# Altium PCB Booster_Main_Board.PcbDoc (part 6 of 11)
Units mil, origin at the board's own origin, x right, y up, seen from the top; angles counter-clockwise.
Board outline 15748.38 x 4626.33 mil, 4 copper layers (Component Side, Signal Layer 1, Power Plane, Solder Side), stack 63.149 mil thick; 999 components, 572 nets, 2902 pads, 1949 vias.
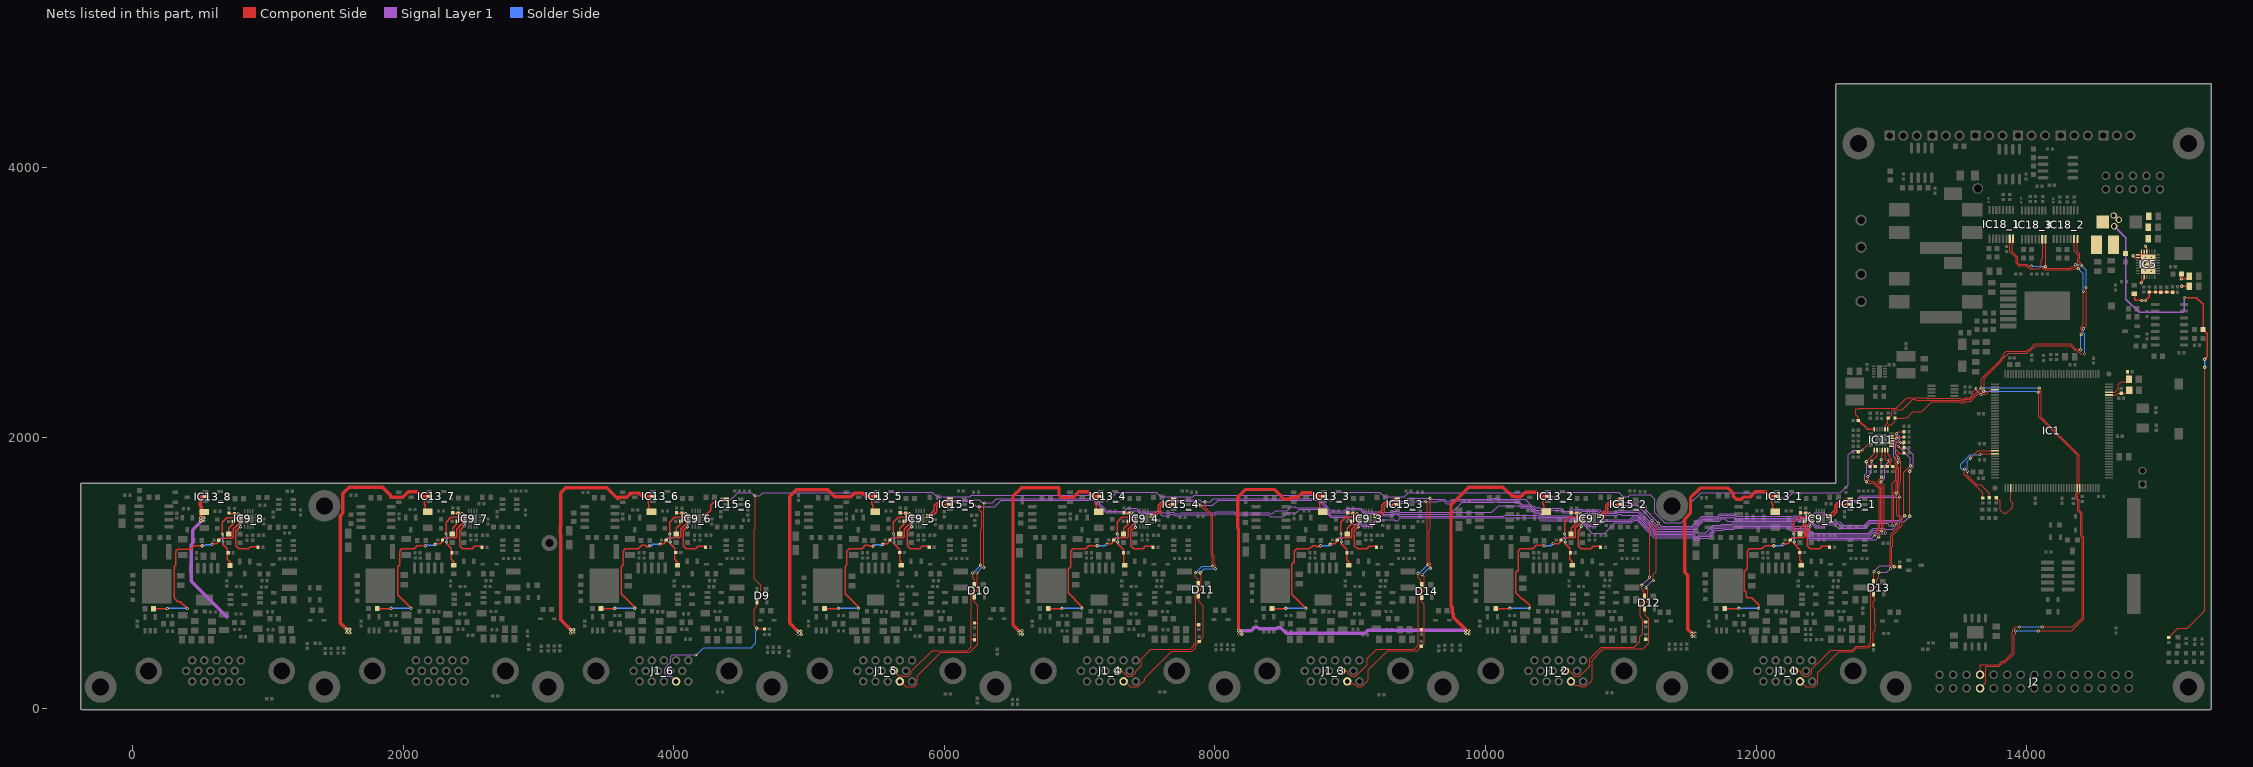
[diagram p8: the nets of this part, all layers, seen from the top]

## Via types
v1: diameter 23.62, hole 11.81, Component Side to Solder Side, tented both sides, 1910 vias
v2: diameter 50, hole 28, Component Side to Solder Side, tented both sides, 24 vias
v3: diameter 23.62, hole 11.81, Component Side to Solder Side, 10 vias
v4: diameter 47.24, hole 31.5, Component Side to Solder Side, 5 vias

## Nets (pads, with @x,y where several pads share a name; then routed paths per layer and width w, separated by ;. In a path a pad name is that pad's centre, name@x,y a point inside that pad or via, vN(x,y) a via of type N, cw(c..) or ccw(c..) an arc to the next point about the centre after c; other vN are vias at no path point) (continued)
I2C2_SDA: C80_6.1 D9.3 IC9_6.4 IC11.5 IC15_6.4 J1_6.4 R68.1 | length 11776.4
  Component Side w6: v1(4601,1573) 4601,1323.34 4595.33,1317.68 4595.33,956.67 4642,910 4642,841 4614.6,813.6 D9.3@4614.6,785.72 4614.6,752.27 4595.33,733 4595.33,608.67 v1(4613,591) 4618,586 C80_6.1@4670.28,586 ; R68.1@12754.37,1895.77 12774.77,1895.77 v1(12787,1908) 12787,1908.93 12832.9,1954.83 IC11.5@12846.1,1954.83
  Component Side w10: IC9_6.4@4225.16,1429.53 4237.73,1429.53 4272.9,1464.69 4272.9,1500.84 4296.01,1523.95 4332.16,1523.95 4351.87,1543.66 v1(4352.66,1543.66) IC15_6.4@4387.72,1543.66
  Signal Layer 1 w6: J1_6.4@4017.17,197.64 3979.71,235.09 3955.47,235.09 3931.75,258.82 3931.75,292.36 3955.47,316.09 3955.47,319.98 3976.67,341.18 3976.67,380.7 3990.01,394.04 4163.05,394.04 v1(4163.39,393.7) ; v1(4352.66,1543.66) 4424.03,1543.66 4473.37,1593 4572,1593 v1@4593,1572 ; v1@4601,1572 4636,1572 4657,1593 5481.34,1593 5541.01,1533.33 5558.25,1533.33 5570.44,1545.52 5570.44,1568.07 5596.95,1594.57 5911.85,1594.57 5945.1,1561.33 6092.19,1561.33 6095.05,1564.19 6191.59,1564.19 6200.21,1572.81 7155.07,1572.81 7194.55,1533.33 7211.79,1533.33 7273.04,1594.57 7565.4,1594.57 7598.64,1561.33 7745.73,1561.33 7748.59,1564.19 7838.59,1564.19 7848.21,1573.81 8807.62,1573.81 8848.1,1533.33 8865.34,1533.33 8877.53,1545.52 8877.53,1568.16 8903.95,1594.57 9218.94,1594.57 9252.18,1561.33 9399.28,1561.33 9428.76,1590.81 10461.82,1590.81 10489.44,1563.19 10526.56,1563.19 10557.95,1594.57 10984.45,1594.57 11016.7,1562.33 11053.82,1562.33 11068.3,1576.81 11216.59,1576.81 11250.84,1542.56 11250.84,1443.41 11325.3,1368.95 11445.03,1368.95 11518,1441.92 11518,1517.97 11593.84,1593.81 12134.07,1593.81 12173.88,1554 12232.46,1554 12272.27,1593.81 12622.09,1593.81 12680,1651.72 12680,1872 12716,1908 v1(12787,1908)
  Solder Side w6: v1@4165.04,392.04 4221,448 4571,448 4605.19,482.19 4605.19,567.62 4613,575.43 v1(4613,591)
I2C3_SCL: C81_5.1 D10.2 IC9_5.3 IC11.8 IC15_5.5 J1_5.9 R72.1 | length 10187.7
  Component Side w6: J1_5.9@5625.79,275.59 5663.24,238.13 5687.48,238.13 5690.52,235.09 5732.56,235.09 5756.28,258.82 5756.28,271.83 5909.45,425 6170,425 6199.79,454.79 6199.79,509 ; v1(6210,999) 6210,965 6220.6,954.4 D10.2@6220.6,914.28 6220.6,883.6 6199.79,862.79 6199.79,509 ; C81_5.1@6223,508.28 6200.5,508.28 6199.79,509 ; v1(6257.5,1491.5) 6257.5,1467.62 6275.39,1449.73 6275.39,1324.49 6268,1317.1 v1(6268,1057) ; v1(12824.78,1712.6) 12824.78,1692.84 12841.2,1676.42 12870.35,1676.42 12921,1625.77 12921,1369.37 12915.19,1363.56 12915.19,1325.62 12908.19,1318.62 12908.19,1268.19 v1(12906,1266) ; R72.1@12881.19,1786.01 12852,1815.2 v1(12852,1826) 12893.35,1867.35 IC11.8@12893.35,1907.58
  Component Side w10: IC9_5.3@5878.7,1409.84 5899.33,1409.84 5942.44,1452.95 5942.44,1494.21 5956.18,1507.95 5981.79,1507.95 5984.55,1505.19 v1@5997,1505.19 ; 6006.21,1507.95 6039.57,1507.95 IC15_5.5@6041.26,1506.26
  Signal Layer 1 w6: v1@5997,1505.19 6005.19,1505.19 6025.33,1525.33 6107.1,1525.33 6109.96,1528.19 6198.81,1528.19 6238,1489 6373,1489 6420.81,1536.81 7104.92,1536.81 7197.73,1444 7372.6,1444 7386.55,1457.95 7422.08,1457.95 7438.7,1441.33 7570.76,1441.33 7571.43,1442 7593.29,1442 7611.4,1423.88 7663.48,1423.88 7674.55,1434.95 7691.79,1434.95 7702.86,1423.88 7749.81,1423.88 7756.62,1430.69 8005.59,1430.69 8013.03,1438.13 8138.54,1438.13 8145.98,1430.69 8394.95,1430.69 8409.45,1416.19 8502.81,1416.19 8532.94,1446.33 8602.47,1446.33 8625.65,1469.5 8794.64,1469.5 8854.33,1409.81 8972.56,1409.81 9021.56,1360.81 9068.62,1360.81 9086.43,1343 9122.6,1343 9124.41,1344.81 9151.59,1344.81 9151.72,1344.69 9161.66,1344.69 9210.3,1393.33 9325.27,1393.33 9331.93,1386.67 9349.17,1386.67 9368.31,1405.81 10388.28,1405.81 10407.28,1386.81 10616.62,1386.81 10623.1,1380.33 10700.1,1380.33 10772.19,1308.24 10772.19,1306.38 10784.38,1294.19 10880.19,1294.19 10955.33,1369.33 11076.9,1369.33 11097.58,1390.01 11115.7,1390.01 11149.48,1356.23 11149.48,1354.32 11196.82,1306.98 11200.03,1306.98 11213.89,1293.12 11213.89,1290.94 11244.83,1260 11529.88,1260 11547.48,1242.4 11575.44,1242.4 11590.64,1257.6 11652.88,1257.6 11690.67,1295.39 11690.67,1309.57 11697.3,1316.2 11752.8,1316.2 11759.4,1322.8 11834.56,1322.8 11844.71,1332.95 12242.48,1332.95 12267.67,1307.76 12335.92,1307.76 12398.88,1244.81 12884.81,1244.81 v1(12906,1266) ; v1(12824.78,1712.6) 12852,1739.82 v1(12852,1826)
  Solder Side w6: v1(6210,999) v1(6268,1057)
  other v1: 5997,1498
I2C3_SDA: C80_5.1 D10.3 IC9_5.4 IC11.7 IC15_5.4 J1_5.4 R71.1 | length 10244.7
  Component Side w6: J1_5.4@5651.34,197.64 J1_5.4@5670.71,197.64 5674.41,197.64 5714.9,157.14 5777.48,157.14 5801.2,180.86 5801.2,241.2 5973,413 6189,413 6248,472 6248,626 ; C80_5.1@6223,627.72 6246.28,627.72 6248,626 ; v1(6240,999) 6241.41,997.59 6241.41,872.41 6220.6,851.6 D10.3@6220.6,823.72 6221,823.32 6221,785.41 6248,758.41 6248,626 ; v1(6292,1039) 6292,1512 v1(6297,1517) ; v1(12814.96,1673.23) 12823.77,1664.42 12865.38,1664.42 12909,1620.8 12909,1374.34 12903.19,1368.53 12903.19,1330.59 12896.19,1323.59 12896.19,1298.19 v1(12879,1281) ; R71.1@12841.82,1786.01 12814,1813.83 v1(12814,1822) 12873.66,1881.66 IC11.7@12873.66,1907.58
  Component Side w10: IC9_5.4@5878.7,1429.53 5891.28,1429.53 5926.44,1464.69 5926.44,1500.84 5949.55,1523.95 v1@5985.7,1523.95 ; v1(5994,1528) 5994,1532 5993.87,1532.13 6005.41,1543.66 IC15_5.4@6041.26,1543.66
  Signal Layer 1 w6: v1(5994,1528) 6003.33,1537.33 6102.13,1537.33 6104.99,1540.19 6258.81,1540.19 6281,1518 6352,1518 6382.81,1548.81 7111.19,1548.81 7204,1456 7333,1456 7353,1476 7421,1476 7443.67,1453.33 7565.79,1453.33 7566.46,1454 7598.26,1454 7609.56,1442.69 7637.8,1442.69 7644.61,1435.88 7658.51,1435.88 7669.58,1446.95 7696.76,1446.95 7707.83,1435.88 7744.84,1435.88 7751.65,1442.69 8000.62,1442.69 8008.06,1450.13 8143.51,1450.13 8150.95,1442.69 8399.92,1442.69 8406.73,1435.88 8425.06,1435.88 8448.62,1459.43 8534.47,1459.43 8562.99,1487.95 8592.34,1487.95 8598.79,1481.5 8802.98,1481.5 8803.61,1480.87 8803.61,1477.5 8859.31,1421.81 8977.53,1421.81 8983.01,1416.33 9030.07,1416.33 9091.4,1355 9117.63,1355 9119.44,1356.81 9156.56,1356.81 9156.69,1356.69 9192.73,1392.73 9192.73,1399 9216.58,1422.85 9315.99,1422.85 9325.84,1432.69 9347.6,1432.69 9362.48,1417.81 10129.81,1417.81 10137,1425 10386.06,1425 10412.25,1398.81 10621.59,1398.81 10628.07,1392.33 10705.07,1392.33 10723.72,1373.69 10753.4,1344 10816.57,1344 10829.38,1356.81 10839.78,1356.81 10864.3,1381.33 11071.93,1381.33 11092.61,1402.01 11120.68,1402.01 11161.48,1361.21 11161.48,1359.29 11201.79,1318.98 11205,1318.98 11225.89,1298.09 11225.89,1296.8 11249.73,1272.95 11533.89,1272.95 11552.45,1254.4 11570.47,1254.4 11585.67,1269.6 11647.91,1269.6 11678.67,1300.36 11678.67,1314.54 11692.33,1328.2 11747.83,1328.2 11754.43,1334.8 11829.58,1334.8 11839.74,1344.95 12247.45,1344.95 12272.64,1319.76 12340.89,1319.76 12403.85,1256.81 12854.81,1256.81 v1(12879,1281) ; v1(12814,1822) 12816.81,1819.19 12816.81,1737.38 12803.97,1724.54 12803.97,1684.22 v1(12814.96,1673.23)
  Solder Side w6: v1(6240,999) 6281,1040 6282,1039 v1(6292,1039)
I2C4_SCL: C81_4.1 D11.2 IC9_4.3 IC11.11 IC15_4.5 J1_4.9 R74.1 | length 8596.9
  Component Side w6: J1_4.9@7279.33,275.59 7281.93,273 7314.66,273 7352.56,235.09 7386.1,235.09 7414.7,263.69 7414.7,273 7454.75,313.05 7454.75,362.75 7527,435 7817,435 7844.5,462.5 7844.5,470.75 7858,484.25 7858,619 ; v1(7858,1002) 7855.79,999.79 7855.79,973.21 7876.6,952.4 D11.2@7876.6,919.28 7876.6,877.81 7855.79,857 7855.79,805.31 7858,803.1 7858,619 ; C81_4.1@7880,617.72 7859.28,617.72 7858,619 ; v1(7890,1500) 7972.84,1417.16 7972.84,1130.39 7981,1122.23 v1(7981,1050) ; v1@12921.01,1682.04 12919.58,1682.04 12914.42,1676.88 12945,1646.3 12945,1359.43 12939.19,1353.62 12939.19,1330.81 12956,1314 v1(12956,1295) ; IC11.11@12952.4,1907.58 12952.4,1844.6 12969.77,1827.23 12973.25,1830.71 v1(12982.28,1830.71) 12982.28,1798.52 R74.1@12969.77,1786.01
  Component Side w10: IC9_4.3@7532.24,1409.84 7552.87,1409.84 7555.91,1412.88 7555.91,1416.93 7579.12,1440.13 7583.17,1440.13 7595.98,1452.95 7595.98,1494.21 7609.72,1507.95 7634.79,1507.95 7644.74,1498 v1(7656,1498) 7665.95,1507.95 7693.11,1507.95 IC15_4.5@7694.8,1506.26
  Signal Layer 1 w6: v1@7656.45,1505.19 7665.19,1505.19 7685.33,1525.33 7760.65,1525.33 7763.5,1528.19 7861.81,1528.19 v1(7890,1500) ; v1@7890,1499 7985,1499 8023.81,1537.81 8763.65,1537.81 8815.61,1485.84 8815.61,1482.47 8851.76,1446.33 8960.31,1446.33 8980.98,1467 9072.03,1467 9097.7,1441.33 9214.37,1441.33 9220.85,1434.85 9311.02,1434.85 9320.87,1444.69 9352.57,1444.69 9362.41,1434.85 9758.01,1434.85 9770.11,1446.95 10045.52,1446.95 10096.38,1497.81 10243.82,1497.81 10261.44,1480.19 10309.45,1480.19 10331.94,1457.69 10346.36,1457.69 10363.68,1440.38 10387.65,1440.38 10417.22,1410.81 10626.56,1410.81 10633.04,1404.33 10710.04,1404.33 10758.37,1356 10811.6,1356 10824.41,1368.81 10834.81,1368.81 10859.33,1393.33 11066.96,1393.33 11087.64,1414.01 11125.65,1414.01 11173.48,1366.18 11173.48,1364.26 11206.76,1330.98 11209.97,1330.98 11237.89,1303.06 11237.89,1301.77 11254.7,1284.95 11538.86,1284.95 11557.42,1266.4 11565.5,1266.4 11580.7,1281.6 11642.94,1281.6 11666.67,1305.33 11666.67,1319.51 11687.36,1340.2 11742.86,1340.2 11749.45,1346.8 11824.61,1346.8 11834.77,1356.95 12252.42,1356.95 12277.61,1331.76 12347.86,1331.76 12354.19,1325.44 12354.19,1323.44 12408.82,1268.81 12837.38,1268.81 12870.38,1301.81 12887.62,1301.81 12900.24,1289.19 12950.19,1289.19 v1(12956,1295) ; v1(12923.23,1673.23) 12924.66,1673.23 12949.81,1698.38 12949.81,1792.04 12982.28,1824.51 v1(12982.28,1830.71)
  Solder Side w6: v1(7858,1002) 7906,1050 v1(7981,1050)
I2C4_SDA: C80_4.1 D11.3 IC9_4.4 IC11.10 IC15_4.4 J1_4.4 R73.1 | length 8474.9
  Component Side w6: J1_4.4@7304.88,197.64 J1_4.4@7324.25,197.64 7332.87,197.64 7373.37,157.14 7431.03,157.14 7480.46,206.57 7480.46,221.46 7680,421 7829,421 7856.5,448.5 7856.5,465.78 C80_4.1@7883,492.28 7884.7,492.28 7915,522.58 7915,755 7881,789 7881,824.32 D11.3@7876.6,828.72 7876.6,856.28 7894.31,874 7894.31,886.91 7897.41,890 7897.41,978.73 7893,983.14 7893,999 v1(7891,1001) ; v1(7927,1526) 7927,1482.55 7984.84,1424.7 7984.84,1135.36 7994.19,1126.01 7994.19,1066.24 8001.81,1058.62 8001.81,1041.38 8000.84,1040.41 8000.84,1033.16 v1(8004,1030) ; v1(12929,1310) 12927.19,1311.81 12927.19,1358.59 12933,1364.4 12933,1634.03 12902.42,1664.61 12902.42,1681.85 12914.61,1694.04 12916.04,1694.04 v1(12929,1707) ; R73.1@12930.4,1786.01 12932.72,1788.32 12922,1799.04 12924,1801.04 v1(12924,1839) 12927.94,1842.94 12927.94,1868 12932.72,1872.78 IC11.10@12932.72,1907.58
  Component Side w10: IC9_4.4@7532.24,1429.53 7544.82,1429.53 7579.98,1464.69 7579.98,1500.84 7603.1,1523.95 v1@7639.24,1523.95 ; v1(7647,1528) 7647,1531.71 7658.95,1543.66 IC15_4.4@7694.8,1543.66
  Signal Layer 1 w6: v1(7647,1528) 7656.33,1537.33 7755.68,1537.33 7758.53,1540.19 7885.81,1540.19 7899,1527 v1@7917,1527 ; v1@7927,1527 7965.19,1527 7988,1549.81 8768.62,1549.81 8827.61,1490.81 8827.61,1487.44 8856.73,1458.33 8955.34,1458.33 8976.01,1479 9077,1479 9102.67,1453.33 9219.34,1453.33 9225.82,1446.85 9306.05,1446.85 9315.9,1456.69 9357.54,1456.69 9367.38,1446.85 9753.04,1446.85 9827.46,1521.28 10059.84,1521.28 10065.38,1526.81 10082.62,1526.81 10088.16,1521.28 10237.32,1521.28 10266.41,1492.19 10314.42,1492.19 10336.92,1469.69 10351.33,1469.69 10368.65,1452.38 10392.62,1452.38 10422.19,1422.81 10631.53,1422.81 10638.01,1416.33 10710.88,1416.33 10723.07,1428.52 10723.07,1431.07 10734.54,1442.54 10825.46,1442.54 10841,1427 10973.69,1427 10981.64,1434.95 10998.88,1434.95 11006.83,1427 11129.63,1427 11185.48,1371.15 11185.48,1369.23 11211.73,1342.98 11214.94,1342.98 11249.89,1308.03 11249.89,1306.74 11259.68,1296.95 11627.15,1296.95 11682.39,1352.2 11737.89,1352.2 11744.48,1358.8 11819.64,1358.8 11829.8,1368.95 12257.39,1368.95 12282.58,1343.76 12352.83,1343.76 12366.19,1330.41 12366.19,1328.41 12413.79,1280.81 12832.41,1280.81 12865.41,1313.81 12925.19,1313.81 v1(12929,1310) ; v1(12924,1839) 12924,1712 v1(12929,1707)
  Solder Side w6: v1(7891,1001) 7919.19,1029.19 7989.62,1029.19 7990.43,1030 v1(8004,1030)
I2C5_SCL: C81_3.1 D14.2 IC9_3.3 IC11.13 IC15_3.5 J1_3.9 R76.1 | length 6803.9
  Component Side w6: J1_3.9@8932.87,275.59 8981.66,275.59 8982.38,274.87 8982.38,258.82 9006.1,235.09 9039.65,235.09 9126.09,321.54 9126.09,369.09 9194,437 9474.43,437 9501.81,464.38 9501.81,586 ; v1(9500.65,997.99) 9500.65,962.35 9525,938 9525,885.05 9501.81,861.86 9501.81,586 ; C81_3.1@9526,581.72 9521.72,586 9501.81,586 ; v1(9555,1527.07) 9569,1513.07 9569,1052 9575,1058 v1(9575,1060) ; IC11.13@12999.65,1935.14 13008.86,1935.14 13058.07,1885.93 ; v1(13037,1357) 13017.19,1376.81 13017.19,1596.62 13033.65,1613.08 13033.65,1674.88 13043.5,1684.72 13043.5,1767.97 13033.65,1777.81 13033.65,1800.92 13027.19,1807.38 13027.19,1855.05 13058.07,1885.93 ; R76.1@13091.38,1885.93 13058.07,1885.93
  Component Side w10: IC9_3.3@9185.79,1409.84 9206.42,1409.84 9249.53,1452.95 9249.53,1494.21 9263.27,1507.95 9291.79,1507.95 v1@9294.55,1505.19 ; v1(9303,1498) 9306.26,1498 9316.21,1507.95 9346.65,1507.95 IC15_3.5@9348.35,1506.26
  Signal Layer 1 w6: v1(9303,1498) 9303.43,1498 9321.43,1516 9404.86,1516 9415.93,1527.07 v1(9555,1527.07) 9646,1527.07 9652.2,1533.28 9690.01,1533.28 9710.82,1512.46 9738,1512.46 9758.81,1533.28 10054.87,1533.28 10060.41,1538.81 10087.59,1538.81 10093.13,1533.28 10242.29,1533.28 10271.38,1504.19 10319.39,1504.19 10341.89,1481.69 10356.31,1481.69 10373.62,1464.38 10556.05,1464.38 10575.74,1444.69 10680.38,1444.69 10693.64,1457.95 10710.88,1457.95 10714.3,1454.54 10830.44,1454.54 10843.64,1441.33 10971.05,1441.33 10976.67,1446.95 11126.65,1446.95 11197.48,1376.12 11197.48,1374.2 11216.7,1354.98 11219.91,1354.98 11261.89,1313 11261.89,1311.71 11264.65,1308.95 11538.86,1308.95 11614.21,1384.3 11675.12,1384.3 11679.22,1380.2 11726.29,1380.2 11746.51,1400.42 11767.35,1400.42 11786.82,1380.95 12286.52,1380.95 12291.38,1385.81 12308.62,1385.81 12314.43,1380 12338.54,1380 12378.19,1340.35 12378.19,1333.38 12418.76,1292.81 12827.44,1292.81 12865.44,1330.81 12944.76,1330.81 12951.38,1324.19 13010.62,1324.19 13037,1350.57 v1(13037,1357)
  Solder Side w6: v1(9500.65,997.99) 9511.18,997.99 9573.19,1060 v1(9575,1060)
I2C5_SDA: C80_3.1 D14.3 IC9_3.4 IC11.12 IC15_3.4 J1_3.4 R75.1 | length 6750.8
  Component Side w6: J1_3.4@8958.43,197.64 J1_3.4@8977.8,197.64 8994.57,180.86 9027.3,180.86 9051.02,157.14 9084.57,157.14 9134,206.57 9134,283 9276,425 9494.42,425 9548.41,478.99 9548.41,765.59 9527.6,786.4 D14.3@9527.6,820.72 9527.6,848.28 9548.41,869.09 9548.41,974.59 9534,989 v1(9530,985) ; v1(9590,1551.81) 9592,1549.81 9592,1324.19 9585.49,1317.68 9585.49,1078.94 9595.81,1068.62 9595.81,1051.38 9585.49,1041.06 9585.49,1040.51 v1(9592,1034) ; IC11.12@12972.09,1907.58 12972.09,1879.91 12982.28,1869.72 12982.28,1860.14 13003.09,1839.33 13003.09,1822.09 12994.28,1813.28 12994.28,1796.79 13021.65,1769.42 13025.07,1769.42 13031.5,1763 13031.5,1689.69 13005.19,1663.39 13005.19,1351.81 v1(13007,1350)
  Component Side w10: IC9_3.4@9185.79,1429.53 9198.36,1429.53 9233.53,1464.69 9233.53,1500.84 9256.64,1523.95 9292.79,1523.95 v1@9298.92,1530.08 ; v1(9304,1528) 9301,1528 v1@9298.92,1530.08 ; IC15_3.4@9348.35,1543.66 9312.5,1543.66 v1@9298.92,1530.08
  Signal Layer 1 w6: v1(9304,1528) 9399.89,1528 9423.7,1551.81 v1(9590,1551.81) 9596.54,1545.28 9694.98,1545.28 9715.79,1524.46 9733.03,1524.46 9753.84,1545.28 10049.9,1545.28 10055.44,1550.81 10092.56,1550.81 10098.1,1545.28 10270.84,1545.28 10271.38,1545.81 10294.74,1545.81 10346.86,1493.69 10361.28,1493.69 10373.47,1481.5 10390.71,1481.5 10394.07,1484.86 10402.55,1476.38 10561.02,1476.38 10580.71,1456.69 10620.08,1456.69 10629.92,1466.54 10685.25,1466.54 10688.67,1469.95 10715.85,1469.95 10719.27,1466.54 10842.44,1466.54 10855.64,1453.33 10966.08,1453.33 10971.7,1458.95 11131.62,1458.95 11209.48,1381.09 11209.48,1379.17 11221.67,1366.98 11227.86,1366.98 11273.89,1320.95 11533.89,1320.95 11609.24,1396.3 11680.09,1396.3 11684.19,1392.2 11721.32,1392.2 11741.54,1412.42 11772.32,1412.42 11775.77,1408.97 11812.89,1408.97 11816.33,1412.42 11824.61,1412.42 11844.08,1392.95 12281.55,1392.95 12286.41,1397.81 12313.59,1397.81 12319.4,1392 12380.43,1392 12409.68,1362.75 12409.68,1361.75 12435.93,1335.5 12502.95,1335.5 12522.58,1355.13 12581.87,1355.13 12608.55,1328.45 12808.56,1328.45 12845.92,1365.81 12968.62,1365.81 12984.43,1350 v1(13007,1350)
  Solder Side w6: v1(9530,985) 9531.43,985 9580.43,1034 v1(9592,1034)
I2C6_SCL: C81_2.1 D12.2 IC9_2.3 IC11.15 IC15_2.5 J1_2.9 R78.1 | length 5006.4
  Component Side w6: J1_2.9@10586.42,275.59 10619.15,275.59 10659.64,235.09 10695.72,235.09 10769.69,309.06 10769.69,363.99 10855.7,450 11100.67,450 11141.41,490.74 11140.8,491.35 11140.8,528.42 11162.8,550.42 11162.8,617.22 11163,617.42 11163,636 ; v1(11155,910) 11155,879 11173.6,860.4 D12.2@11173.6,826.28 11173.6,800.14 11141.73,768.27 11141.73,676.77 11163,655.5 11163,636 ; C81_2.1@11184,636.72 11163.72,636.72 11163,636 ; v1(11212,968) 11212,1352 11230.29,1370.29 v1(11230.29,1387.79) ; IC11.15@12999.65,1974.51 13041.49,1974.51 13051.33,1964.67 v1(13068,1964.67) R78.1@13091.38,1964.67 ; v1(13135,1419) v1(13135,1751.97)
  Component Side w10: IC9_2.3@10839.33,1409.84 10859.96,1409.84 10903.07,1452.95 10903.07,1494.21 10916.81,1507.95 10941.79,1507.95 10944.55,1505.19 ; v1(10955,1498.38) 10956.64,1498.38 10966.21,1507.95 11000.2,1507.95 IC15_2.5@11001.89,1506.26
  Signal Layer 1 w6: v1(10955,1498.38) 11121.62,1498.38 11230.29,1389.71 v1(11230.29,1387.79) ; v1(11155,910) 11156.06,910 11212,965.94 v1(11212,968) ; v1@11221.28,1395.28 11283.62,1332.95 11528.92,1332.95 11604.27,1408.3 11685.06,1408.3 11689.17,1404.2 11716.35,1404.2 11736.57,1424.42 11777.29,1424.42 11780.74,1420.97 11807.92,1420.97 11811.36,1424.42 11829.58,1424.42 11849.05,1404.95 12276.58,1404.95 12281.44,1409.81 12318.56,1409.81 12324.37,1404 12385.4,1404 12421.68,1367.72 12421.68,1366.72 12440.9,1347.5 12497.98,1347.5 12515.25,1364.78 12517.61,1367.13 12602.87,1367.13 12629.55,1340.45 12803.59,1340.45 12840.95,1377.81 13093.81,1377.81 v1(13135,1419) ; v1(13068,1964.67) 13160.57,1872.09 13160.57,1782.72 13135,1757.14 v1(13135,1751.97)
I2C6_SDA: C80_2.1 D12.3 IC9_2.4 IC11.14 IC15_2.4 J1_2.4 R77.1 | length 5081.4
  Component Side w6: J1_2.4@10631.34,197.64 10659.83,169.14 10692.56,169.14 10704.56,157.14 10738.11,157.14 10787.54,206.57 10787.54,354.47 10871.07,438 11165,438 11206,479 11206,509 ; C80_2.1@11184,509.28 11205.72,509.28 11206,509 ; v1(11185,890) 11199,876 11199,793 11173.6,767.6 D12.3@11173.6,735.72 11179,730.32 11179,688 11206,661 11206,509 ; v1(11240.14,944.88) 11240.14,988.7 11260.81,1009.38 11260.81,1350.81 v1(11278,1368) ; IC11.14@12999.65,1954.83 13031.17,1954.83 v1(13051.5,1934.5) 13060.7,1925.3 R77.1@13091.38,1925.3 ; v1(13098,1422) 13092.19,1427.81 13092.19,1743.76 v1(13139.76,1791.34)
  Component Side w10: IC9_2.4@10839.33,1429.53 10851.91,1429.53 10887.07,1464.69 10887.07,1500.84 10910.18,1523.95 10946.33,1523.95 10966.04,1543.66 IC15_2.4@11001.89,1543.66
  Signal Layer 1 w6: v1@10954.38,1532 10975.76,1532 10986.33,1521.43 11072.73,1521.43 11078.37,1527.07 11156,1527.07 11168.19,1514.88 11168.19,1481.24 11278,1371.43 v1(11278,1368) ; v1(11185,890) 11185,894 11235.88,944.88 v1(11240.14,944.88) ; v1@11285.31,1369.69 11285.31,1357.69 11298.05,1344.95 11523.95,1344.95 11599.3,1420.3 11690.04,1420.3 11694.14,1416.2 11711.38,1416.2 11731.6,1436.42 11782.26,1436.42 11785.71,1432.97 11802.95,1432.97 11806.39,1436.42 11834.56,1436.42 11854.02,1416.95 12271.61,1416.95 12276.47,1421.81 12323.53,1421.81 12329.34,1416 12407,1416 12434,1443 12499.97,1443 12563.84,1379.13 12618.87,1379.13 12645.55,1352.45 12798.62,1352.45 12835.98,1389.81 13065.81,1389.81 v1(13098,1422) ; v1(13051.5,1934.5) 13139.76,1846.24 v1(13139.76,1791.34)
  other v1: 10954,1528
I2C7_SCL: C81_1.1 D13.2 IC9_1.3 IC11.17 IC15_1.5 J1_1.9 R80.1 | length 3315.7
  Component Side w6: J1_1.9@12279.33,275.59 12328.12,275.59 12328.83,276.31 12328.83,258.82 12352.56,235.09 12386.1,235.09 12409.83,258.82 12409.83,290.73 12448.82,329.72 12453.39,329.72 12551.66,428 12709.97,428 12739.97,458 12822.43,458 12846.8,482.36 12846.8,483.46 ; 12846.81,483.48 12846.81,499.62 12846.43,500 12846.43,889 12867.6,910.17 D13.2@12867.6,932.6 ; D13.2@12867.6,934.28 D13.2@12867.6,932.6 ; v1(12871,1009) 12869,1007 12869,934 D13.2@12867.6,932.6 ; IC11.17@12999.65,2013.88 13022.88,2013.88 13052.41,2043.41 R80.1@13091.38,2043.41 ; v1(13052,1850) 13052,1844.43 13069.81,1826.62 13069.81,1780.22 13067.5,1777.91 13067.5,1674.78 13059,1666.29 v1(13059,1562) 13059,1427 13080,1406 13080,1351.54 13007.92,1279.46 13007.92,1197.1 13002.19,1191.36 13002.19,1064.81 v1(13021,1046) 13021.56,1045.44 C81_1.1@13061.19,1045.44
  Component Side w10: IC9_1.3@12532.24,1409.84 12552.87,1409.84 12573.19,1430.16 12573.19,1430.45 12595.98,1453.24 12595.98,1494.21 12609.72,1507.95 12637.79,1507.95 12640.55,1505.19 v1@12654,1505.19 ; v1(12654,1498) v1@12654,1505.19 ; IC15_1.5@12694.8,1506.26 12693.11,1507.95 12662.21,1507.95 12659.45,1505.19 v1@12654,1505.19
  Signal Layer 1 w6: v1@12653,1498 12680.33,1525.33 12743.68,1525.33 12776.92,1558.57 13055.57,1558.57 v1(13059,1562) ; v1(12871,1009) 12914.81,1052.81 13014.19,1052.81 v1(13021,1046) ; v1(13037,2029) 13061,2005 13061,1995 ; v1(13052,1850) 13052,1854 13030.69,1875.31 13030.69,1958.26 13059.81,1987.38 13059.81,1995
  Signal Layer 1 w10: v1@12653,1498 v1(12654,1498)
I2C7_SDA: C80_1.1 D13.3 IC9_1.4 IC11.16 IC15_1.4 J1_1.4 R79.1 | length 3198.3
  Component Side w6: J1_1.4@12324.25,197.64 12364.75,157.14 12431.03,157.14 12454.75,180.86 12454.75,261.75 12609,416 12714.94,416 12744.94,446 12827.4,446 12843.61,462.2 12862.68,462.2 C80_1.1@12868,467.53 12865.19,470.34 12865.19,561.46 12879,575.27 12879,615.69 12876.1,618.59 12876.1,671.41 12879,674.31 12879,677.73 12878.19,678.54 12878.19,721.46 12879,722.27 12879,727.57 12864.19,742.38 12864.19,785.31 12879,800.12 12879,803.77 12867.6,815.17 D13.3@12867.6,843.72 12867.6,881.6 12891,905 12891,951 12906,966 v1(12906,1004) ; v1(12993,1032) 12990.19,1034.81 12990.19,1196.34 12995.92,1202.07 12995.92,1284.43 13063,1351.51 13063,1406.03 13038,1431.03 v1(13038,1588) 13047,1597 13047,1671.26 13055.5,1679.75 13055.5,1772.94 13047,1781.43 13047,1816 v1(13049,1818) ; IC11.16@12999.65,1994.2 v1@13039,1994.2 ; v1@13041.2,1994.2 13051.04,2004.04 R79.1@13091.38,2004.04